# Altium PCB MiniSystem-Pcb-All.PcbDoc (part 8 of 8) (continued)
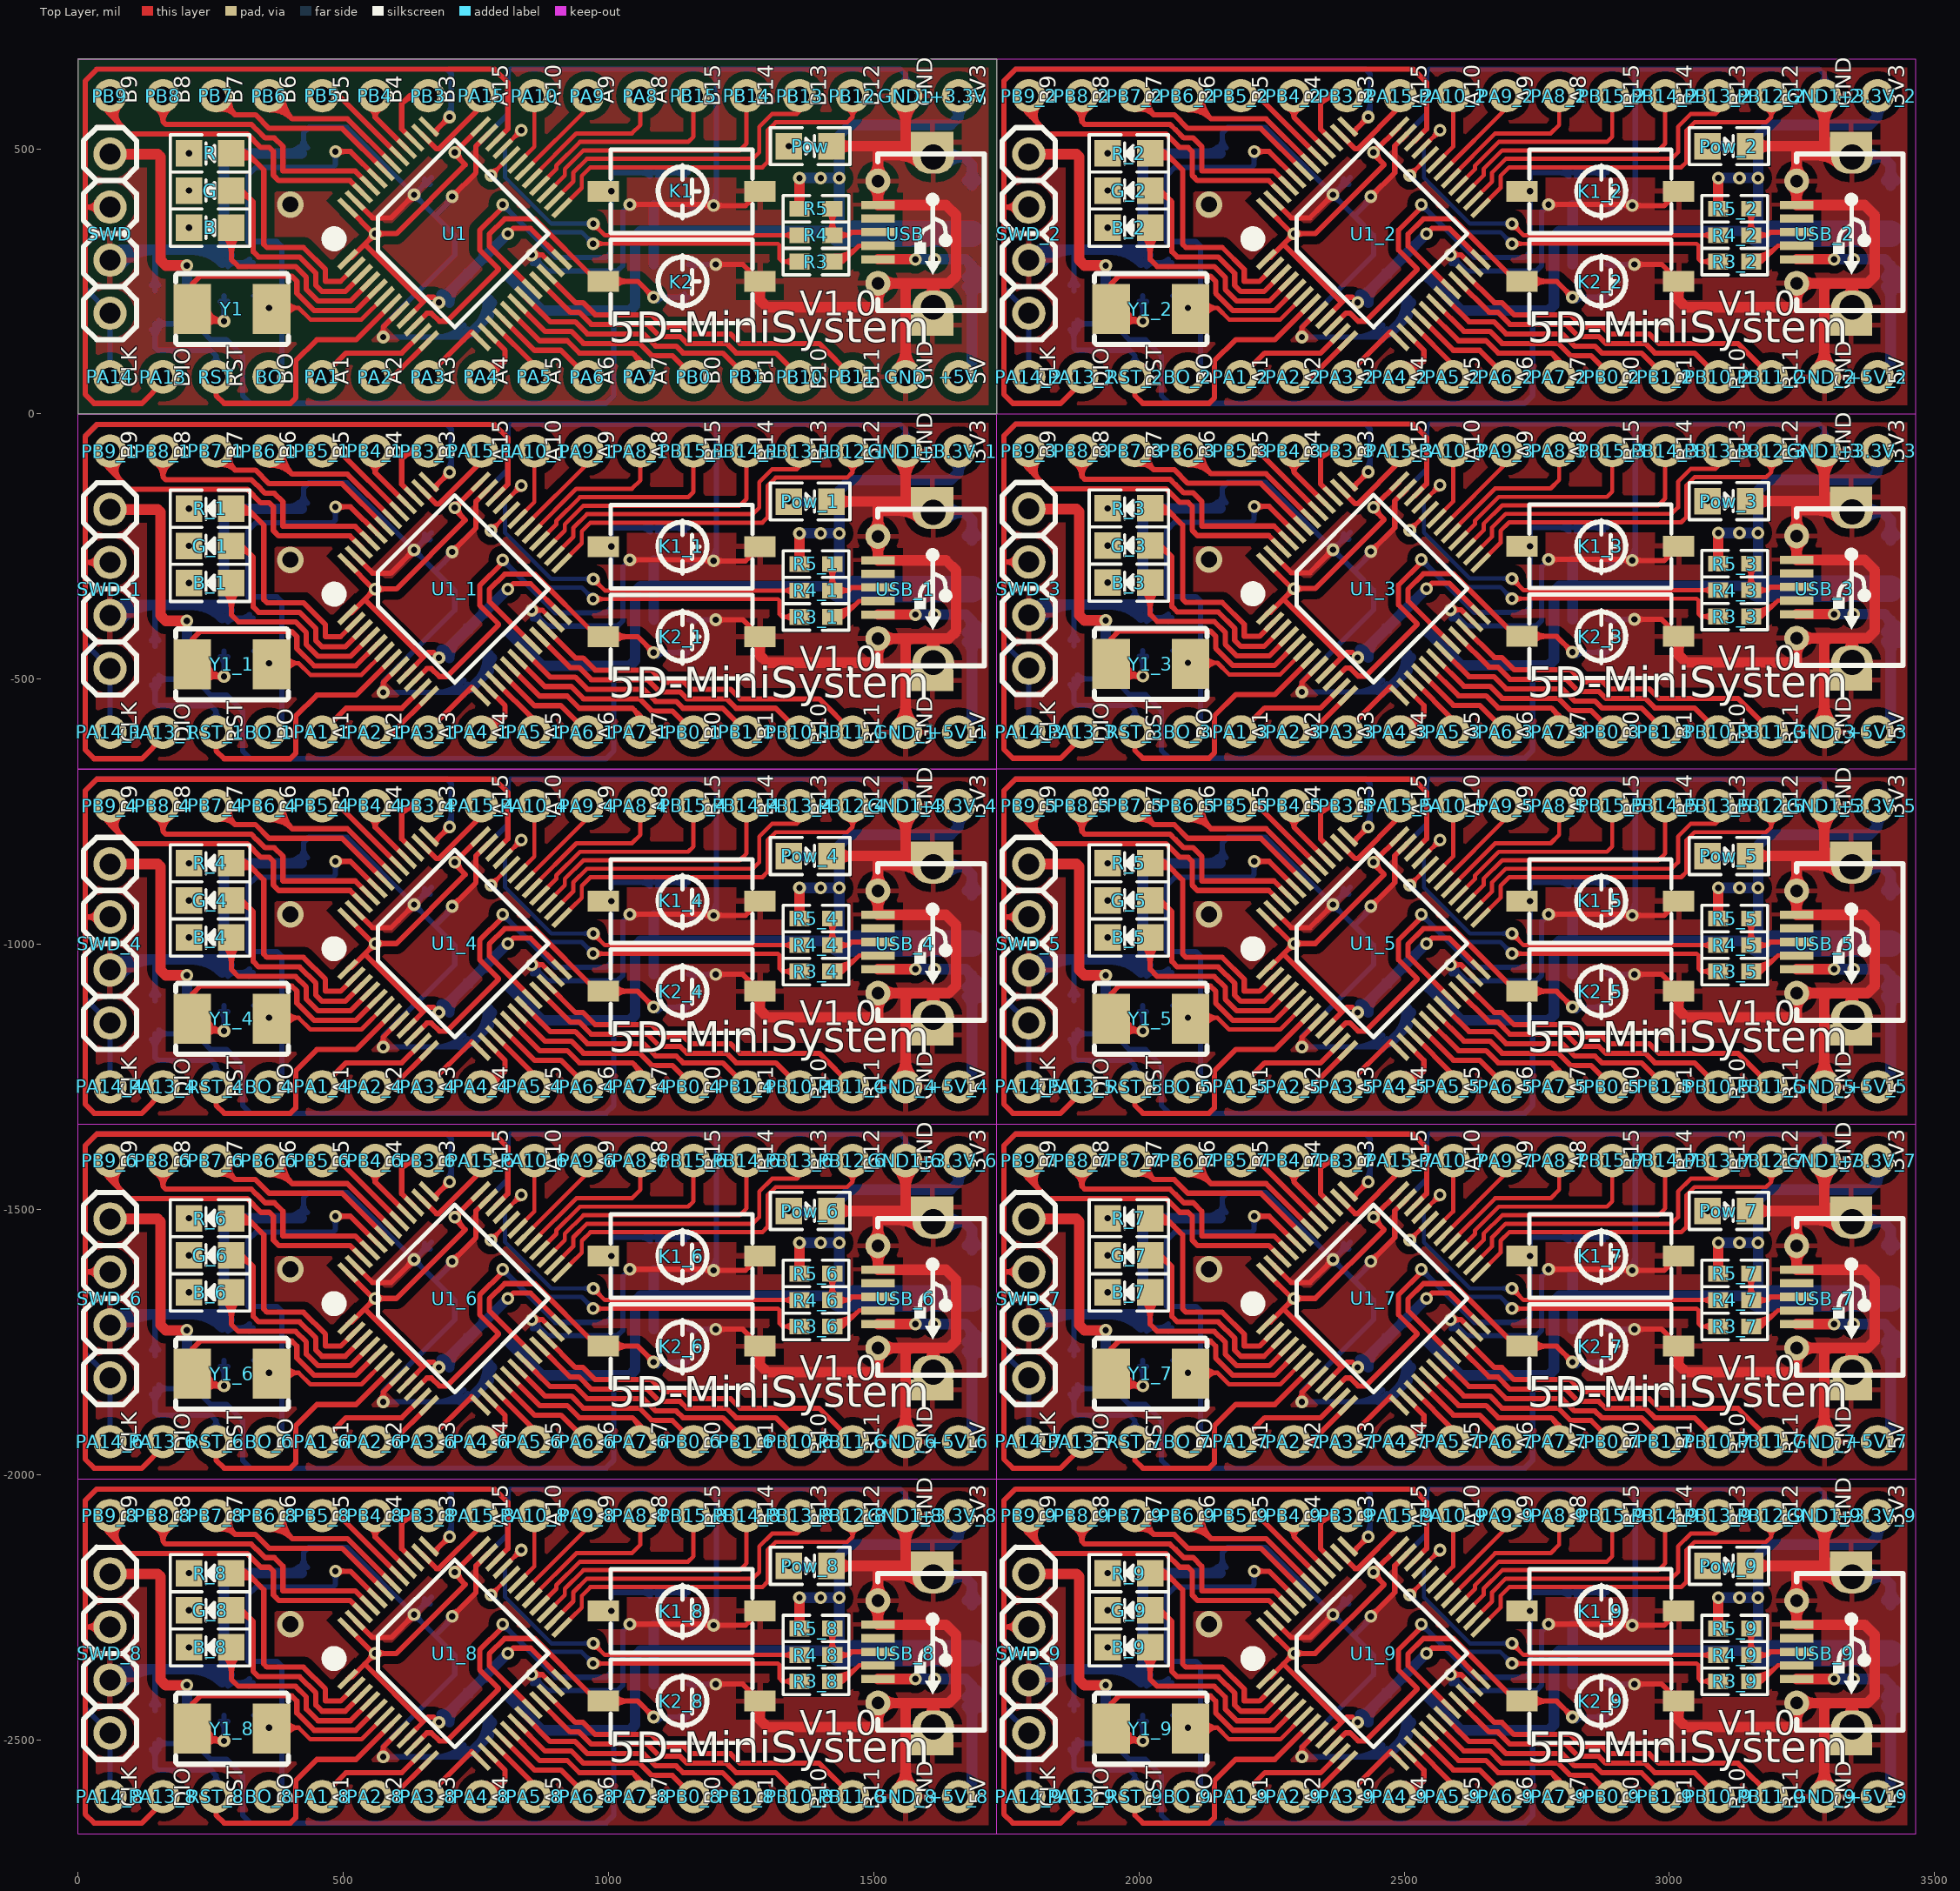
[diagram p0: Top Layer view]
## Nets (pads, with @x,y where several pads share a name; then routed paths per layer and width w, separated by ;. In a path a pad name is that pad's centre, name@x,y a point inside that pad or via, vN(x,y) a via of type N, cw(c..) or ccw(c..) an arc to the next point about the centre after c; other vN are vias at no path point) (continued)
3122.28,445 v1(3092.28,445) v1(3167.28,445) ; v1(3167.28,445) 3167.28,525 3187.28,545 3287.28,545 3377.28,545 3392.28,560
  Bottom Layer w50: 1435,-2337.17 1685,-2337.17 ; 1435,-1667.87 1685,-1667.87 ; 1435,-998.58 1685,-998.58 ; 1435,-330 1685,-330 ; 3167.28,-2337.17 3417.28,-2337.17 ; 3167.28,-1667.87 3417.28,-1667.87 ; 3167.28,-998.58 3417.28,-998.58 ; 3167.28,-329.29 3417.28,-329.29 ; 3167.28,340 3417.28,340
  other v1: 208.78,-2325.87 1941.06,-2325.87 208.78,-2255.87 1941.06,-2255.87 1400,-2232.17 3132.28,-2232.17 208.78,-2185.87 1941.06,-2185.87 208.78,-1656.57 1941.06,-1656.57 208.78,-1586.57 1941.06,-1586.57 1400,-1562.87 3132.28,-1562.87 208.78,-1516.57 1941.06,-1516.57 208.78,-987.28 1941.06,-987.28 208.78,-917.28 1941.06,-917.28 1400,-893.58 3132.28,-893.58 208.78,-847.28 1941.06,-847.28 208.78,-318.7 1941.06,-317.99 208.78,-248.7 1941.06,-247.99 1400,-225 3132.28,-224.29 208.78,-178.7 1941.06,-177.99 1941.06,351.3 1941.06,421.3 3132.28,445 1941.06,491.3
  other v2: 400,-2282.17 2132.28,-2282.17 400,-1612.87 2132.28,-1612.87 400,-943.58 2132.28,-943.58 400,-275 2132.28,-274.29 2132.28,395

## Polygon pours and split planes (outlines as drawn)
no net on Bottom Layer "Top Layer-No Net" (solid, remove dead copper, pour order 1000): 1732.28,-2007.87 3464.57,-2007.87 3464.57,-2677.17 1732.28,-2677.17
no net on Bottom Layer "Top Layer-No Net" (solid, remove dead copper, pour order 1000): 0,-2007.87 1732.28,-2007.87 1732.28,-2677.17 0,-2677.17
no net on Bottom Layer "Top Layer-No Net" (solid, remove dead copper, pour order 1000): 1732.28,-1338.58 3464.57,-1338.58 3464.57,-2007.87 1732.28,-2007.87
no net on Bottom Layer "Top Layer-No Net" (solid, remove dead copper, pour order 1000): 0,-1338.58 1732.28,-1338.58 1732.28,-2007.87 0,-2007.87
no net on Bottom Layer "Top Layer-No Net" (solid, remove dead copper, pour order 1000): 1732.28,-669.29 3464.57,-669.29 3464.57,-1338.58 1732.28,-1338.58
no net on Bottom Layer "Top Layer-No Net" (solid, remove dead copper, pour order 1000): 0,-669.29 1732.28,-669.29 1732.28,-1338.58 0,-1338.58
no net on Bottom Layer "Top Layer-No Net" (solid, remove dead copper, pour order 1000): 1732.28,0 3464.57,0 3464.57,-669.29 1732.28,-669.29
no net on Bottom Layer "Top Layer-No Net" (solid, remove dead copper, pour order 1000): 1732.28,669.29 3464.57,669.29 3464.57,0 1732.28,0
no net on Bottom Layer "Top Layer-No Net" (solid, remove dead copper, pour order 1000): 0,-0.71 1732.28,-0.71 1732.28,-670 0,-670
GND on Bottom Layer "Top Layer-No Net" (solid, remove dead copper, pour order 1000): 0,669.29 1732.28,669.29 1732.28,0 0,0
no net on Top Layer "Top Layer-No Net" (solid, remove dead copper, pour order 1001): 1732.28,-2677.17 1732.28,-2007.87 3464.57,-2007.87 3464.57,-2677.17
no net on Top Layer "Top Layer-No Net" (solid, remove dead copper, pour order 1001): 0,-2677.17 0,-2007.87 1732.28,-2007.87 1732.28,-2677.17
no net on Top Layer "Top Layer-No Net" (solid, remove dead copper, pour order 1001): 1732.28,-2007.87 1732.28,-1338.58 3464.57,-1338.58 3464.57,-2007.87
no net on Top Layer "Top Layer-No Net" (solid, remove dead copper, pour order 1001): 0,-2007.87 0,-1338.58 1732.28,-1338.58 1732.28,-2007.87
no net on Top Layer "Top Layer-No Net" (solid, remove dead copper, pour order 1001): 1732.28,-1338.58 1732.28,-669.29 3464.57,-669.29 3464.57,-1338.58
no net on Top Layer "Top Layer-No Net" (solid, remove dead copper, pour order 1001): 0,-1338.58 0,-669.29 1732.28,-669.29 1732.28,-1338.58
no net on Top Layer "Top Layer-No Net" (solid, remove dead copper, pour order 1001): 1732.28,-669.29 1732.28,0 3464.57,0 3464.57,-669.29
no net on Top Layer "Top Layer-No Net" (solid, remove dead copper, pour order 1001): 1732.28,0 1732.28,669.29 3464.57,669.29 3464.57,0
no net on Top Layer "Top Layer-No Net" (solid, remove dead copper, pour order 1001): 0,-670 0,-0.71 1732.28,-0.71 1732.28,-670
GND on Top Layer "Top Layer-No Net" (solid, remove dead copper, pour order 1001): 0,0 0,669.29 1732.28,669.29 1732.28,0

## Keep-outs
Keep-Out Layer:
  lines w2: 0,-2007.87 1732.28,-2007.87 ; 0,-2007.87 0,-2677.17 1732.28,-2677.17 ; 0,-2007.87 0,-1338.58 ; 0,-2007.87 1732.28,-2007.87 ; 0,-1338.58 1732.28,-1338.58 ; 0,-1338.58 0,-669.29 1732.28,-669.29 ; 0,-1338.58 1732.28,-1338.58 ; 1732.28,-2677.17 1732.28,-2007.87 ; 1732.28,-2677.17 3464.57,-2677.17 3464.57,-2007.87 ; 1732.28,-2677.17 1732.28,-2007.87 ; 1732.28,-2007.87 3464.57,-2007.87 ; 1732.28,-2007.87 1732.28,-1338.58 ; 1732.28,-2007.87 3464.57,-2007.87 ; 1732.28,-2007.87 1732.28,-1338.58 ; 1732.28,-1338.58 3464.57,-1338.58 ; 1732.28,-1338.58 1732.28,-669.29 ; 1732.28,-1338.58 3464.57,-1338.58 ; 1732.28,-1338.58 1732.28,-669.29 ; 1732.28,-669.29 3464.57,-669.29 ; 1732.28,-669.29 1732.28,0 ; 1732.28,-669.29 3464.57,-669.29 ; 1732.28,0 3464.57,0 ; 1732.28,0 1732.28,669.29 ; 1732.28,0 3464.57,0 ; 1732.28,0 0,0 0,669.29 1732.28,669.29 ; 1732.28,0 1732.28,669.29 ; 1732.28,669.29 3464.57,669.29 3464.57,0 ; 3464.57,-2007.87 3464.57,-1338.58 ; 3464.57,-1338.58 3464.57,-669.29 ; 3464.57,-669.29 3464.57,0 ; 0,-670 0,-0.71 1732.28,-0.71 1732.28,-670 0,-670

## Other copper
Top Layer:
  pour cut-out: 1917.28,-2417.17 1917.28,-2542.17 2132.28,-2542.17 2127.28,-2537.17 2127.28,-2417.17
  pour cut-out: 185,-2417.17 185,-2542.17 400,-2542.17 395,-2537.17 395,-2417.17
  pour cut-out: 1917.28,-1747.87 1917.28,-1872.87 2132.28,-1872.87 2127.28,-1867.87 2127.28,-1747.87
  pour cut-out: 185,-1747.87 185,-1872.87 400,-1872.87 395,-1867.87 395,-1747.87
  pour cut-out: 1917.28,-1078.58 1917.28,-1203.58 2132.28,-1203.58 2127.28,-1198.58 2127.28,-1078.58
  pour cut-out: 185,-1078.58 185,-1203.58 400,-1203.58 395,-1198.58 395,-1078.58
  pour cut-out: 1917.28,-409.29 1917.28,-534.29 2132.28,-534.29 2127.28,-529.29 2127.28,-409.29
  pour cut-out: 1917.28,260 1917.28,135 2132.28,135 2127.28,140 2127.28,260
  pour cut-out: 185,-410 185,-535 400,-535 395,-530 395,-410
  pour cut-out: 185,260 185,135 400,135 395,140 395,260

## Silkscreen, mask and mechanical layers (free items; w line width, h text height)
Top Overlay:
  text "B9" at 120,585 h50 r90
  text "B8" at 220,585 h50 r90
  text "B7" at 320,585 h50 r90
  text "B6" at 420,585 h50 r90
  text "B5" at 520,585 h50 r90
  text "B4" at 620,585 h50 r90
  text "B3" at 720,585 h50 r90
  text "A9" at 1020,585 h50 r90
  text "A8" at 1120,585 h50 r90
  text "B9" at 1852.28,585 h50 r90
  text "B8" at 1952.28,585 h50 r90
  text "B7" at 2052.28,585 h50 r90
  text "B6" at 2152.28,585 h50 r90
  text "B5" at 2252.28,585 h50 r90
  text "B4" at 2352.28,585 h50 r90
  text "B3" at 2452.28,585 h50 r90
  text "A9" at 2752.28,585 h50 r90
  text "A8" at 2852.28,585 h50 r90
  text "A15" at 820,580 h50 r90
  text "A10" at 920,580 h50 r90
  text "B15" at 1220,580 h50 r90
  text "B14" at 1320,580 h50 r90
  text "B13" at 1420,580 h50 r90
  text "B12" at 1520,580 h50 r90
  text "GND" at 1620,580 h50 r90
  text "3V3" at 1720,580 h50 r90
  text "A15" at 2552.28,580 h50 r90
  text "A10" at 2652.28,580 h50 r90
  text "B15" at 2952.28,580 h50 r90
  text "B14" at 3052.28,580 h50 r90
  text "B13" at 3152.28,580 h50 r90
  text "B12" at 3252.28,580 h50 r90
  text "GND" at 3352.28,580 h50 r90
  text "3V3" at 3452.28,580 h50 r90
  text "V1.0" at 1360,170 h80
  text "V1.0" at 3092.28,170 h80
  text "5D-MiniSystem" at 1000,115 h100
  text "5D-MiniSystem" at 2732.28,115 h100
  text "BO" at 415,55 h50 r90
  text "A1" at 520,55 h50 r90
  text "A2" at 620,55 h50 r90
  text "A3" at 720,55 h50 r90
  text "A4" at 820,55 h50 r90
  text "A5" at 920,55 h50 r90
  text "A6" at 1020,55 h50 r90
  text "A7" at 1120,55 h50 r90
  text "B0" at 1220,55 h50 r90
  text "B1" at 1320,55 h50 r90
  text "5V" at 1720,55 h50 r90
  text "BO" at 2147.28,55 h50 r90
  text "A1" at 2252.28,55 h50 r90
  text "A2" at 2352.28,55 h50 r90
  text "A3" at 2452.28,55 h50 r90
  text "A4" at 2552.28,55 h50 r90
  text "A5" at 2652.28,55 h50 r90
  text "A6" at 2752.28,55 h50 r90
  text "A7" at 2852.28,55 h50 r90
  text "B0" at 2952.28,55 h50 r90
  text "B1" at 3052.28,55 h50 r90
  text "5V" at 3452.28,55 h50 r90
  text "CLK" at 120,50 h50 r90
  text "DIO" at 220,50 h50 r90
  text "RST" at 320,50 h50 r90
  text "CLK" at 1852.28,50 h50 r90
  text "DIO" at 1952.28,50 h50 r90
  text "RST" at 2052.28,50 h50 r90
  text "B10" at 1420,45 h50 r90
  text "B11" at 1520,45 h50 r90
  text "GND" at 1620,45 h50 r90
  text "B10" at 3152.28,45 h50 r90
  text "B11" at 3252.28,45 h50 r90
  text "GND" at 3352.28,45 h50 r90
  text "B9" at 1852.28,-84.29 h50 r90
  text "B8" at 1952.28,-84.29 h50 r90
  text "B7" at 2052.28,-84.29 h50 r90
  text "B6" at 2152.28,-84.29 h50 r90
  text "B5" at 2252.28,-84.29 h50 r90
  text "B4" at 2352.28,-84.29 h50 r90
  text "B3" at 2452.28,-84.29 h50 r90
  text "A9" at 2752.28,-84.29 h50 r90
  text "A8" at 2852.28,-84.29 h50 r90
  text "B9" at 120,-85 h50 r90
  text "B8" at 220,-85 h50 r90
  text "B7" at 320,-85 h50 r90
  text "B6" at 420,-85 h50 r90
  text "B5" at 520,-85 h50 r90
  text "B4" at 620,-85 h50 r90
  text "B3" at 720,-85 h50 r90
  text "A9" at 1020,-85 h50 r90
  text "A8" at 1120,-85 h50 r90
  text "A15" at 2552.28,-89.29 h50 r90
  text "A10" at 2652.28,-89.29 h50 r90
  text "B15" at 2952.28,-89.29 h50 r90
  text "B14" at 3052.28,-89.29 h50 r90
  text "B13" at 3152.28,-89.29 h50 r90
  text "B12" at 3252.28,-89.29 h50 r90
  text "GND" at 3352.28,-89.29 h50 r90
  text "3V3" at 3452.28,-89.29 h50 r90
  text "A15" at 820,-90 h50 r90
  text "A10" at 920,-90 h50 r90
  text "B15" at 1220,-90 h50 r90
  text "B14" at 1320,-90 h50 r90
  text "B13" at 1420,-90 h50 r90
  text "B12" at 1520,-90 h50 r90
  text "GND" at 1620,-90 h50 r90
  text "3V3" at 1720,-90 h50 r90
  text "V1.0" at 3092.28,-499.29 h80
  text "V1.0" at 1360,-500 h80
  text "5D-MiniSystem" at 2732.28,-554.29 h100
  text "5D-MiniSystem" at 1000,-555 h100
  text "BO" at 2147.28,-614.29 h50 r90
  text "A1" at 2252.28,-614.29 h50 r90
  text "A2" at 2352.28,-614.29 h50 r90
  text "A3" at 2452.28,-614.29 h50 r90
  text "A4" at 2552.28,-614.29 h50 r90
  text "A5" at 2652.28,-614.29 h50 r90
  text "A6" at 2752.28,-614.29 h50 r90
  text "A7" at 2852.28,-614.29 h50 r90
  text "B0" at 2952.28,-614.29 h50 r90
  text "B1" at 3052.28,-614.29 h50 r90
  text "5V" at 3452.28,-614.29 h50 r90
  text "BO" at 415,-615 h50 r90
  text "A1" at 520,-615 h50 r90
  text "A2" at 620,-615 h50 r90
  text "A3" at 720,-615 h50 r90
  text "A4" at 820,-615 h50 r90
  text "A5" at 920,-615 h50 r90
  text "A6" at 1020,-615 h50 r90
  text "A7" at 1120,-615 h50 r90
  text "B0" at 1220,-615 h50 r90
  text "B1" at 1320,-615 h50 r90
  text "5V" at 1720,-615 h50 r90
  text "CLK" at 1852.28,-619.29 h50 r90
  text "DIO" at 1952.28,-619.29 h50 r90
  text "RST" at 2052.28,-619.29 h50 r90
  text "CLK" at 120,-620 h50 r90
  text "DIO" at 220,-620 h50 r90
  text "RST" at 320,-620 h50 r90
  text "B10" at 3152.28,-624.29 h50 r90
  text "B11" at 3252.28,-624.29 h50 r90
  text "GND" at 3352.28,-624.29 h50 r90
  text "B10" at 1420,-625 h50 r90
  text "B11" at 1520,-625 h50 r90
  text "GND" at 1620,-625 h50 r90
  text "B9" at 120,-753.58 h50 r90
  text "B8" at 220,-753.58 h50 r90
  text "B7" at 320,-753.58 h50 r90
  text "B6" at 420,-753.58 h50 r90
  text "B5" at 520,-753.58 h50 r90
  text "B4" at 620,-753.58 h50 r90
  text "B3" at 720,-753.58 h50 r90
  text "A9" at 1020,-753.58 h50 r90
  text "A8" at 1120,-753.58 h50 r90
  text "B9" at 1852.28,-753.58 h50 r90
  text "B8" at 1952.28,-753.58 h50 r90
  text "B7" at 2052.28,-753.58 h50 r90
  text "B6" at 2152.28,-753.58 h50 r90
  text "B5" at 2252.28,-753.58 h50 r90
  text "B4" at 2352.28,-753.58 h50 r90
  text "B3" at 2452.28,-753.58 h50 r90
  text "A9" at 2752.28,-753.58 h50 r90
  text "A8" at 2852.28,-753.58 h50 r90
  text "A15" at 820,-758.58 h50 r90
  text "A10" at 920,-758.58 h50 r90
  text "B15" at 1220,-758.58 h50 r90
  text "B14" at 1320,-758.58 h50 r90
  text "B13" at 1420,-758.58 h50 r90
  text "B12" at 1520,-758.58 h50 r90
  text "GND" at 1620,-758.58 h50 r90
  text "3V3" at 1720,-758.58 h50 r90
  text "A15" at 2552.28,-758.58 h50 r90
  text "A10" at 2652.28,-758.58 h50 r90
  text "B15" at 2952.28,-758.58 h50 r90
  text "B14" at 3052.28,-758.58 h50 r90
  text "B13" at 3152.28,-758.58 h50 r90
  text "B12" at 3252.28,-758.58 h50 r90
  text "GND" at 3352.28,-758.58 h50 r90
  text "3V3" at 3452.28,-758.58 h50 r90
  text "V1.0" at 1360,-1168.58 h80
  text "V1.0" at 3092.28,-1168.58 h80
  text "5D-MiniSystem" at 1000,-1223.58 h100
  text "5D-MiniSystem" at 2732.28,-1223.58 h100
  text "BO" at 415,-1283.58 h50 r90
  text "A1" at 520,-1283.58 h50 r90
  text "A2" at 620,-1283.58 h50 r90
  text "A3" at 720,-1283.58 h50 r90
  text "A4" at 820,-1283.58 h50 r90
  text "A5" at 920,-1283.58 h50 r90
  text "A6" at 1020,-1283.58 h50 r90
  text "A7" at 1120,-1283.58 h50 r90
  text "B0" at 1220,-1283.58 h50 r90
  text "B1" at 1320,-1283.58 h50 r90
  text "5V" at 1720,-1283.58 h50 r90
  text "BO" at 2147.28,-1283.58 h50 r90
  text "A1" at 2252.28,-1283.58 h50 r90
  text "A2" at 2352.28,-1283.58 h50 r90
  text "A3" at 2452.28,-1283.58 h50 r90
  text "A4" at 2552.28,-1283.58 h50 r90
  text "A5" at 2652.28,-1283.58 h50 r90
  text "A6" at 2752.28,-1283.58 h50 r90
  text "A7" at 2852.28,-1283.58 h50 r90
  text "B0" at 2952.28,-1283.58 h50 r90
  text "B1" at 3052.28,-1283.58 h50 r90
  text "5V" at 3452.28,-1283.58 h50 r90
  text "CLK" at 120,-1288.58 h50 r90
  text "DIO" at 220,-1288.58 h50 r90
  text "RST" at 320,-1288.58 h50 r90
  text "CLK" at 1852.28,-1288.58 h50 r90
  text "DIO" at 1952.28,-1288.58 h50 r90
  text "RST" at 2052.28,-1288.58 h50 r90
  text "B10" at 1420,-1293.58 h50 r90
  text "B11" at 1520,-1293.58 h50 r90
  text "GND" at 1620,-1293.58 h50 r90
  text "B10" at 3152.28,-1293.58 h50 r90
  text "B11" at 3252.28,-1293.58 h50 r90
  text "GND" at 3352.28,-1293.58 h50 r90
  text "B9" at 120,-1422.87 h50 r90
  text "B8" at 220,-1422.87 h50 r90
  text "B7" at 320,-1422.87 h50 r90
  text "B6" at 420,-1422.87 h50 r90
  text "B5" at 520,-1422.87 h50 r90
  text "B4" at 620,-1422.87 h50 r90
  text "B3" at 720,-1422.87 h50 r90
  text "A9" at 1020,-1422.87 h50 r90
  text "A8" at 1120,-1422.87 h50 r90
  text "B9" at 1852.28,-1422.87 h50 r90
  text "B8" at 1952.28,-1422.87 h50 r90
  text "B7" at 2052.28,-1422.87 h50 r90
  text "B6" at 2152.28,-1422.87 h50 r90
  text "B5" at 2252.28,-1422.87 h50 r90
  text "B4" at 2352.28,-1422.87 h50 r90
  text "B3" at 2452.28,-1422.87 h50 r90
  text "A9" at 2752.28,-1422.87 h50 r90
  text "A8" at 2852.28,-1422.87 h50 r90
  text "A15" at 820,-1427.87 h50 r90
  text "A10" at 920,-1427.87 h50 r90
  text "B15" at 1220,-1427.87 h50 r90
  text "B14" at 1320,-1427.87 h50 r90
  text "B13" at 1420,-1427.87 h50 r90
  text "B12" at 1520,-1427.87 h50 r90
  text "GND" at 1620,-1427.87 h50 r90
  text "3V3" at 1720,-1427.87 h50 r90
  text "A15" at 2552.28,-1427.87 h50 r90
  text "A10" at 2652.28,-1427.87 h50 r90
  text "B15" at 2952.28,-1427.87 h50 r90
  text "B14" at 3052.28,-1427.87 h50 r90
  text "B13" at 3152.28,-1427.87 h50 r90
  text "B12" at 3252.28,-1427.87 h50 r90
  text "GND" at 3352.28,-1427.87 h50 r90
  text "3V3" at 3452.28,-1427.87 h50 r90
  text "V1.0" at 1360,-1837.87 h80
  text "V1.0" at 3092.28,-1837.87 h80
  text "5D-MiniSystem" at 1000,-1892.87 h100
  text "5D-MiniSystem" at 2732.28,-1892.87 h100
  text "BO" at 415,-1952.87 h50 r90
  text "A1" at 520,-1952.87 h50 r90
  text "A2" at 620,-1952.87 h50 r90
  text "A3" at 720,-1952.87 h50 r90
  text "A4" at 820,-1952.87 h50 r90
  text "A5" at 920,-1952.87 h50 r90
  text "A6" at 1020,-1952.87 h50 r90
  text "A7" at 1120,-1952.87 h50 r90
  text "B0" at 1220,-1952.87 h50 r90
  text "B1" at 1320,-1952.87 h50 r90
  text "5V" at 1720,-1952.87 h50 r90
  text "BO" at 2147.28,-1952.87 h50 r90
  text "A1" at 2252.28,-1952.87 h50 r90
  text "A2" at 2352.28,-1952.87 h50 r90
  text "A3" at 2452.28,-1952.87 h50 r90
  text "A4" at 2552.28,-1952.87 h50 r90
  text "A5" at 2652.28,-1952.87 h50 r90
  text "A6" at 2752.28,-1952.87 h50 r90
  text "A7" at 2852.28,-1952.87 h50 r90
  text "B0" at 2952.28,-1952.87 h50 r90
  text "B1" at 3052.28,-1952.87 h50 r90
  text "5V" at 3452.28,-1952.87 h50 r90
  text "CLK" at 120,-1957.87 h50 r90
  text "DIO" at 220,-1957.87 h50 r90
  text "RST" at 320,-1957.87 h50 r90
  text "CLK" at 1852.28,-1957.87 h50 r90
  text "DIO" at 1952.28,-1957.87 h50 r90
  text "RST" at 2052.28,-1957.87 h50 r90
  text "B10" at 1420,-1962.87 h50 r90
  text "B11" at 1520,-1962.87 h50 r90
  text "GND" at 1620,-1962.87 h50 r90
  text "B10" at 3152.28,-1962.87 h50 r90
  text "B11" at 3252.28,-1962.87 h50 r90
  text "GND" at 3352.28,-1962.87 h50 r90
  text "B9" at 120,-2092.17 h50 r90
  text "B8" at 220,-2092.17 h50 r90
  text "B7" at 320,-2092.17 h50 r90
  text "B6" at 420,-2092.17 h50 r90
  text "B5" at 520,-2092.17 h50 r90
  text "B4" at 620,-2092.17 h50 r90
  text "B3" at 720,-2092.17 h50 r90
  text "A9" at 1020,-2092.17 h50 r90
  text "A8" at 1120,-2092.17 h50 r90
  text "B9" at 1852.28,-2092.17 h50 r90
  text "B8" at 1952.28,-2092.17 h50 r90
  text "B7" at 2052.28,-2092.17 h50 r90
  text "B6" at 2152.28,-2092.17 h50 r90
  text "B5" at 2252.28,-2092.17 h50 r90
  text "B4" at 2352.28,-2092.17 h50 r90
  text "B3" at 2452.28,-2092.17 h50 r90
  text "A9" at 2752.28,-2092.17 h50 r90
  text "A8" at 2852.28,-2092.17 h50 r90
  text "A15" at 820,-2097.17 h50 r90
  text "A10" at 920,-2097.17 h50 r90
  text "B15" at 1220,-2097.17 h50 r90
  text "B14" at 1320,-2097.17 h50 r90
  text "B13" at 1420,-2097.17 h50 r90
  text "B12" at 1520,-2097.17 h50 r90
  text "GND" at 1620,-2097.17 h50 r90
  text "3V3" at 1720,-2097.17 h50 r90
  text "A15" at 2552.28,-2097.17 h50 r90
  text "A10" at 2652.28,-2097.17 h50 r90
  text "B15" at 2952.28,-2097.17 h50 r90
  text "B14" at 3052.28,-2097.17 h50 r90
  text "B13" at 3152.28,-2097.17 h50 r90
  text "B12" at 3252.28,-2097.17 h50 r90
  text "GND" at 3352.28,-2097.17 h50 r90
  text "3V3" at 3452.28,-2097.17 h50 r90
  text "V1.0" at 1360,-2507.17 h80
  text "V1.0" at 3092.28,-2507.17 h80
  text "5D-MiniSystem" at 1000,-2562.17 h100
  text "5D-MiniSystem" at 2732.28,-2562.17 h100
  text "BO" at 415,-2622.17 h50 r90
  text "A1" at 520,-2622.17 h50 r90
  text "A2" at 620,-2622.17 h50 r90
  text "A3" at 720,-2622.17 h50 r90
  text "A4" at 820,-2622.17 h50 r90
  text "A5" at 920,-2622.17 h50 r90
  text "A6" at 1020,-2622.17 h50 r90
  text "A7" at 1120,-2622.17 h50 r90
  text "B0" at 1220,-2622.17 h50 r90
  text "B1" at 1320,-2622.17 h50 r90
  text "5V" at 1720,-2622.17 h50 r90
  text "BO" at 2147.28,-2622.17 h50 r90
  text "A1" at 2252.28,-2622.17 h50 r90
  text "A2" at 2352.28,-2622.17 h50 r90
  text "A3" at 2452.28,-2622.17 h50 r90
  text "A4" at 2552.28,-2622.17 h50 r90
  text "A5" at 2652.28,-2622.17 h50 r90
  text "A6" at 2752.28,-2622.17 h50 r90
  text "A7" at 2852.28,-2622.17 h50 r90
  text "B0" at 2952.28,-2622.17 h50 r90
  text "B1" at 3052.28,-2622.17 h50 r90
  text "5V" at 3452.28,-2622.17 h50 r90
  text "CLK" at 120,-2627.17 h50 r90
  text "DIO" at 220,-2627.17 h50 r90
  text "RST" at 320,-2627.17 h50 r90
  text "CLK" at 1852.28,-2627.17 h50 r90
  text "DIO" at 1952.28,-2627.17 h50 r90
  text "RST" at 2052.28,-2627.17 h50 r90
  text "B10" at 1420,-2632.17 h50 r90
  text "B11" at 1520,-2632.17 h50 r90
  text "GND" at 1620,-2632.17 h50 r90
  text "B10" at 3152.28,-2632.17 h50 r90
  text "B11" at 3252.28,-2632.17 h50 r90
  text "GND" at 3352.28,-2632.17 h50 r90
Bottom Overlay:
  text "3V3" at 180,470 h80
  text "3V3" at 1912.28,470 h80
  text "DIO" at 185.78,370 h80
  text "DIO" at 1918.06,370 h80
  text "GND" at 190,275 h80
  text "GND" at 1922.28,275 h80
  text "3V3" at 1912.28,-199.29 h80
  text "3V3" at 180,-200 h80
  text "DIO" at 1918.06,-299.29 h80
  text "DIO" at 185.78,-300 h80
  text "GND" at 1922.28,-394.29 h80
  text "GND" at 190,-395 h80
  text "3V3" at 180,-868.58 h80
  text "3V3" at 1912.28,-868.58 h80
  text "DIO" at 185.78,-968.58 h80
  text "DIO" at 1918.06,-968.58 h80
  text "GND" at 190,-1063.58 h80
  text "GND" at 1922.28,-1063.58 h80
  text "3V3" at 180,-1537.87 h80
  text "3V3" at 1912.28,-1537.87 h80
  text "DIO" at 185.78,-1637.87 h80
  text "DIO" at 1918.06,-1637.87 h80
  text "GND" at 190,-1732.87 h80
  text "GND" at 1922.28,-1732.87 h80
  text "3V3" at 180,-2207.17 h80
  text "3V3" at 1912.28,-2207.17 h80
  text "DIO" at 185.78,-2307.17 h80
  text "DIO" at 1918.06,-2307.17 h80
  text "GND" at 190,-2402.17 h80
  text "GND" at 1922.28,-2402.17 h80